# Allegro board TDI_KU5P_QSFP28_CXP_V001-20240805_1841.brd (continued)
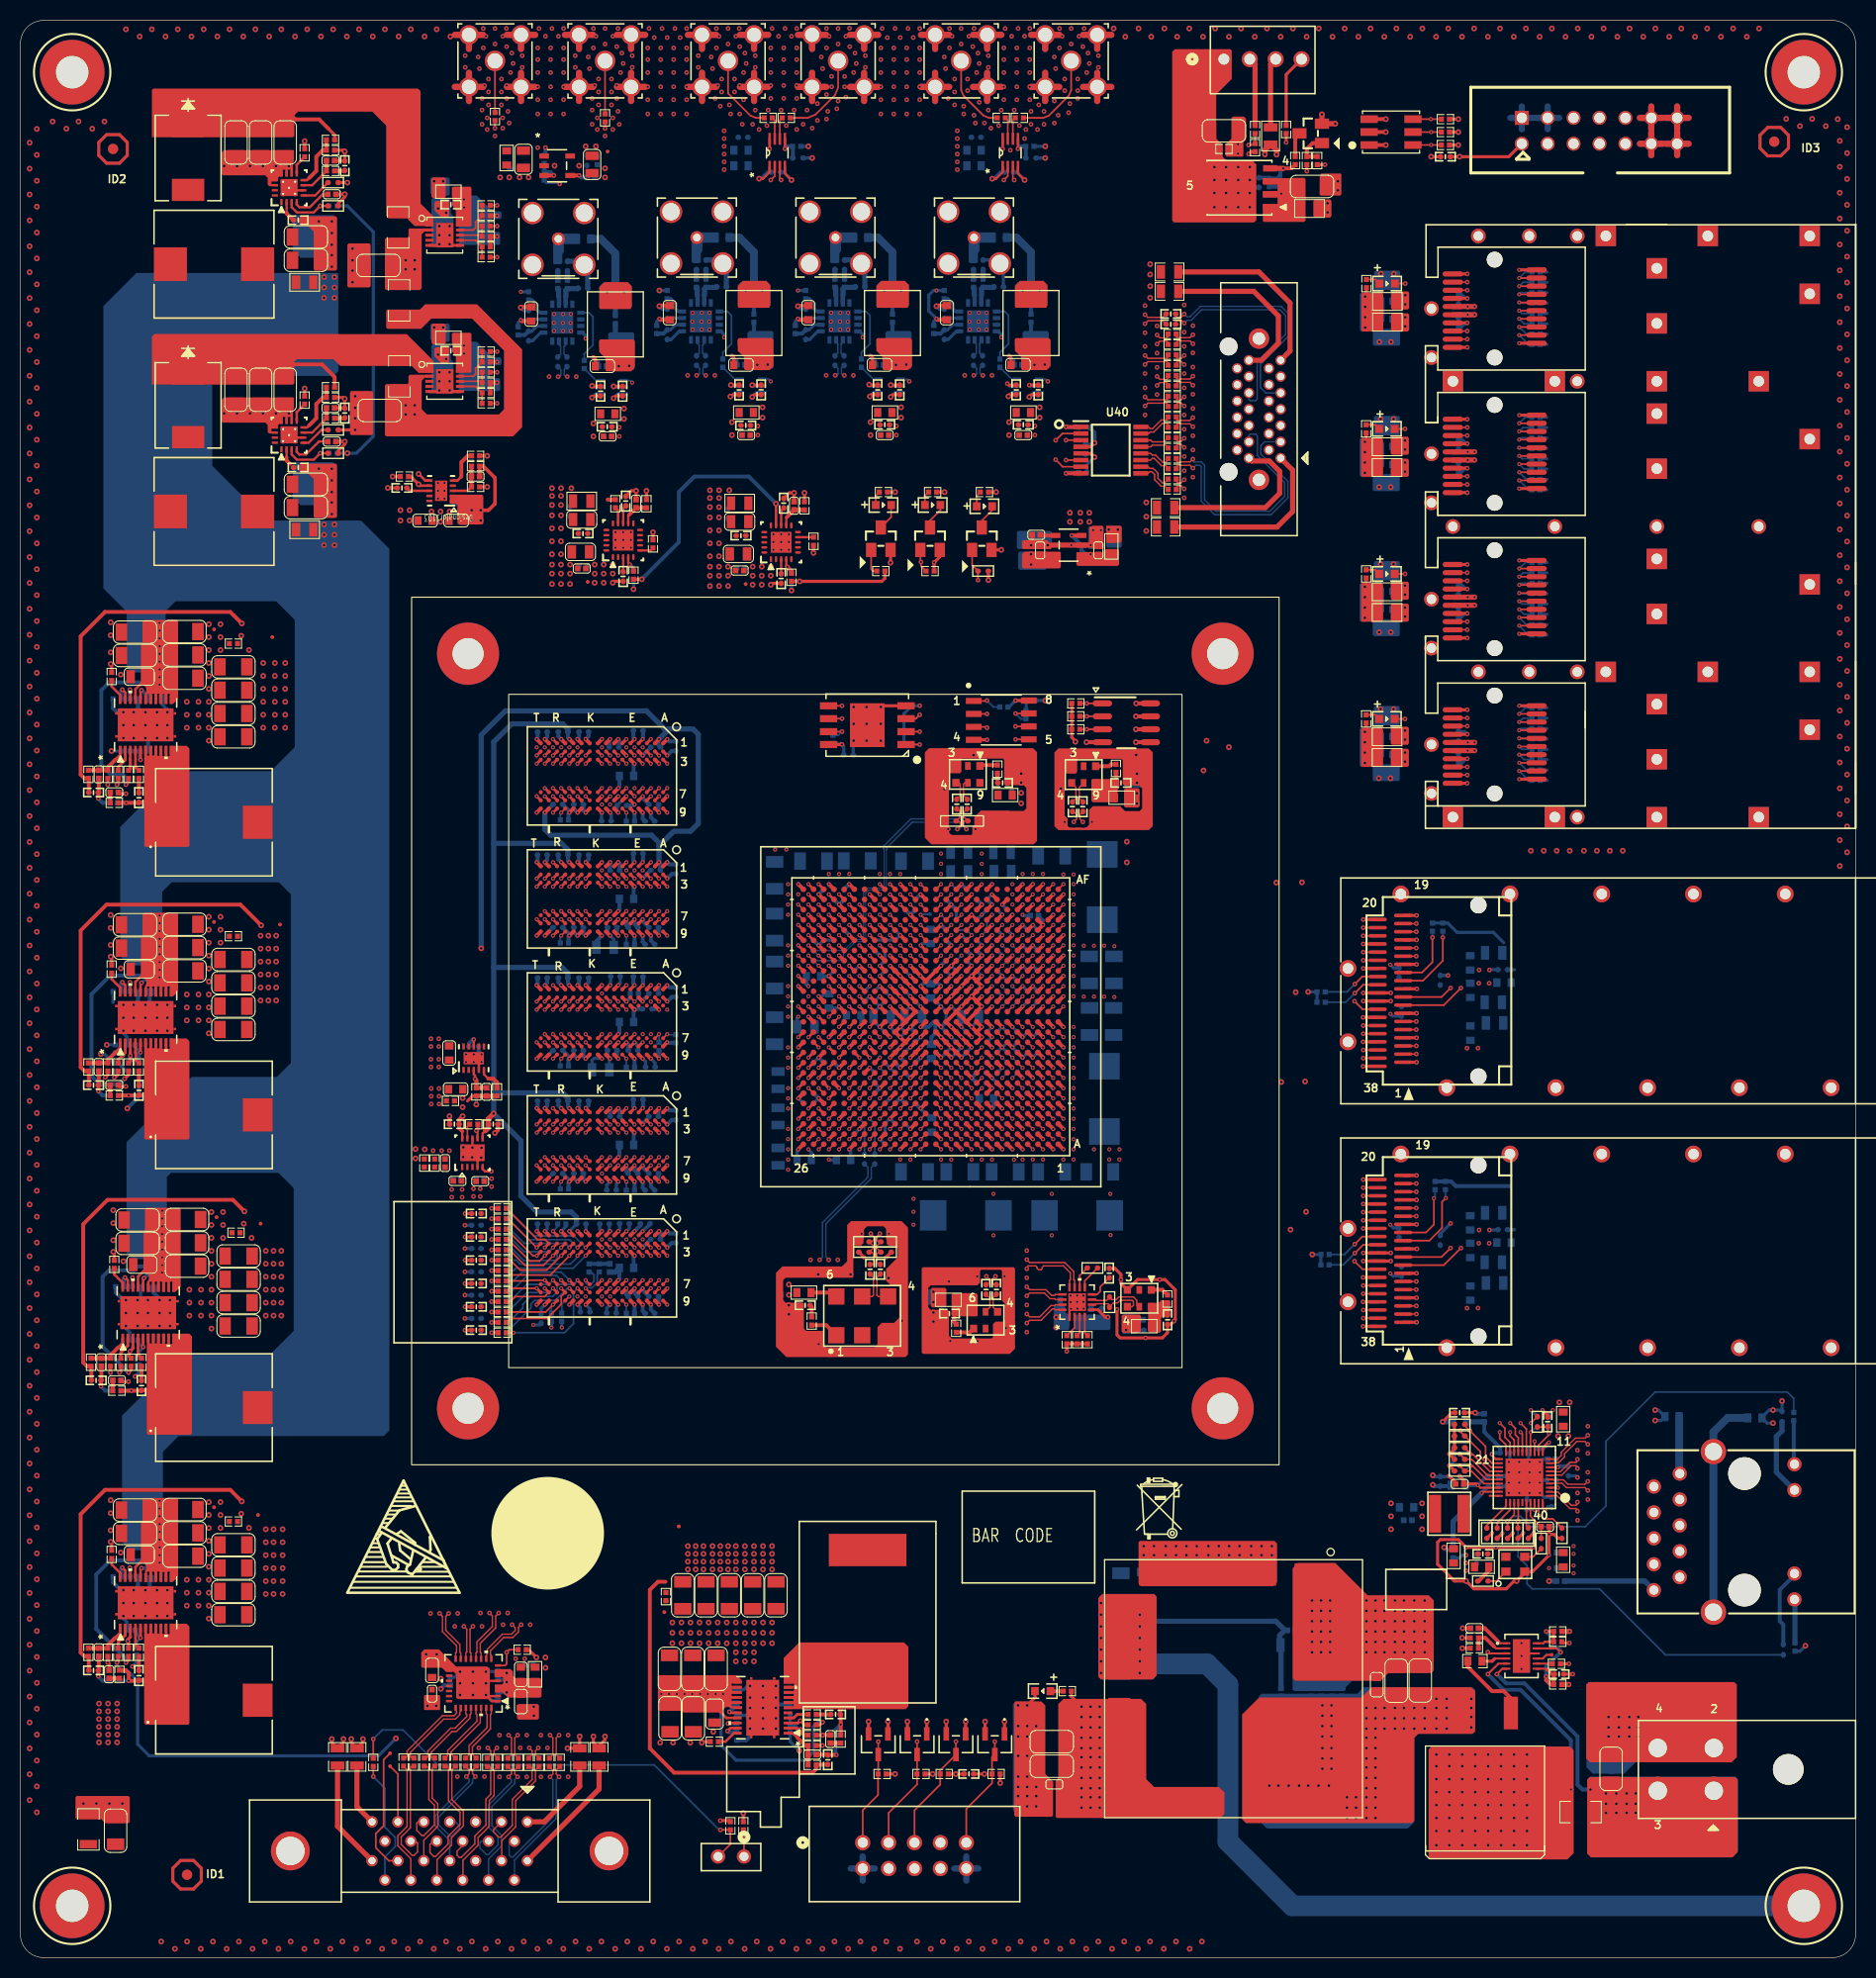
[diagram p0: board, top side]
## Copper pours and planes (outline as drawn; the poured copper is in the pictures) (continued)
GND on ART10: 134.38,40.49 123.89,40.49 123.26,39.85 123.26,37.31 123,37.06 104.21,37.06 104.14,37.12 103.11,37.12 100.93,39.31 100.93,69.6 103.66,72.33 127.1,72.33 129.66,69.77 136.9,69.77 138.39,71.27 138.39,107.62 140.6,109.83 143.55,109.83 146.17,112.45 146.17,163.4 141.57,168 135.5,168 132.35,171.15 132.35,179.91 130.72,181.53 10.18,181.53 9.08,182.63 9.08,188.6 9.97,189.49 170.75,189.49 171.14,189.11 171.14,181.2 171.77,180.57 178.73,180.57 179.49,179.81 179.49,169.46 179.49,52.35 178.83,51.69 171.52,51.69 171.01,52.2 171.01,54.46 170.63,54.84 161.86,54.84 158.59,58.12 135.68,58.12 134.99,57.43 134.99,41.1
GND on ART10: 41.47,59.69 85.31,59.69 90.19,54.81 90.19,24.05 88.84,22.71 82.72,22.71 81.09,24.33 76.32,24.33 71.72,19.74 41.82,19.74 37.48,24.08 37.48,55.7
GND on ART10: 38.42,143.36 93.28,143.36 94.43,142.21 94.43,134.34 85.92,125.83 54.8,125.83 44.14,136.5 40.2,136.5 36.9,139.8 36.9,141.83
GND on ART12: 82.74,70.71 106.24,70.71 129.73,47.22 142.94,47.22 145.23,49.5 150.69,49.5 151.83,48.36 151.83,36.55 151.32,36.04 141.04,36.04 136.59,40.49 123.89,40.49 123.26,39.85 123.26,37.31 123,37.06 104.33,37.06 103.7,36.42 103.7,1.31 102.89,0.51 61.51,0.51 60.01,2.01 60.01,37.06 80.33,57.38 80.33,68.3
GND on ART12: 11.88,116.05 44.9,116.05 47.44,113.51 47.44,66.78 50.99,63.22 58.99,63.22 60.39,61.82 60.39,59.41 39.18,38.2 39.18,31.34 39.44,31.09 45.66,31.09 46.55,30.2 46.55,25.37 43.88,22.71 43.88,18.01 41.6,15.72 41.6,1.12 40.98,0.51 14.37,0.51 13.48,1.4 13.48,12.62 12.92,13.18 2.21,13.18 0.51,14.88 0.51,113.32 1.46,114.27 4.64,114.27 5.78,113.13 5.78,31.22 7.43,29.57 12,29.57 12.89,30.45 12.89,58.55 13.91,59.56 26.23,59.56 27.24,60.58 27.24,102.69 25.01,104.93 9.13,104.93 8.45,105.61 8.45,108.43 11.12,111.1 11.12,115.29
GND on ART12: 139.64,62.33 139.64,93.07 136.72,95.99 117.19,95.99 116.02,97.15 116.02,100.05 125.54,109.58 145.1,109.58 148.66,113.13 148.66,164.95 145.35,168.25 142.94,168.25 142.43,167.74 136.59,167.74 135.32,166.47 135.32,158.09 128.34,151.1 126.05,151.1 125.16,151.99 125.16,161.52 124.02,162.66 114.49,162.66 113.48,161.65 113.48,131.17 112.33,130.02 105.6,130.02 98.87,136.75 98.87,154.91 97.6,156.18 50.99,156.18 49.6,154.79 49.6,148.18 48.58,147.17 4.13,147.17 0.51,150.79 0.51,179.55 1.4,180.44 8.19,180.44 9.08,181.33 9.08,188.6 9.97,189.49 170.75,189.49 171.14,189.11 171.14,181.2 171.77,180.57 178.73,180.57 179.49,179.81 179.49,169.46 179.49,52.43 179.01,51.94 179.01,51.92 171.64,51.92 170.88,52.68 170.88,54.58 170.75,54.71 164.15,54.71 161.1,51.66 154.63,51.66 146.5,59.79 142.18,59.79 ; 1 cut-out
GND_EARTH on TOP (solid shape): 111.45,35.41 111.45,27.66 111.06,27.28 105.98,27.28 105.73,27.53 105.73,35.28 106.11,35.66 111.19,35.66
GND_EARTH on BOTTOM (solid shape): 111.45,35.41 111.45,27.66 111.06,27.28 105.98,27.28 105.73,27.53 105.73,35.28 106.11,35.66 111.19,35.66
VCC1V5_MGT on TOP: 54.44,142.07 54.56,142.2 54.56,144.44 54.5,144.5 51.9,144.5 51.77,144.37 51.77,142.2 51.9,142.07
VCC1V5_MGT on TOP: 69.93,141.87 70.06,142 70.06,144.23 69.99,144.3 67.39,144.3 67.26,144.17 67.26,142 67.39,141.87
VCC1V5_MGT on TOP: 26.74,109.19 21.15,109.19 20.89,109.45 20.89,116.28 21.8,117.18 21.8,127.36 21.02,128.13 21.02,130.66 21.53,131.17 26.74,131.17 27.24,130.66 27.24,109.7
VCC1V5_MGT on BOTTOM: 54.55,144.42 54.55,142.21 54.42,142.09 51.88,142.09 51.76,142.21 51.76,144.35 51.91,144.5 54.47,144.5
VCC1V5_MGT on BOTTOM: 70.04,144.22 70.04,142.01 69.92,141.88 67.38,141.88 67.25,142.01 67.25,144.14 67.4,144.3 69.97,144.3
VCC1V5_MGT on ART12: 22.24,145.52 71.62,145.52 72.18,144.96 72.18,128.35 69.28,125.45 51.88,125.45 44.16,117.73 22.9,117.73 20.82,119.81 20.82,144.09
VCC1V8 on TOP: 26.74,23.09 21.15,23.09 20.89,23.34 20.89,30.18 21.8,31.08 21.8,41.25 21.02,42.02 21.02,44.55 21.53,45.06 26.74,45.06 27.24,44.55 27.24,23.6
VCC1V8 on TOP: 40.33,143.48 40.45,143.36 40.45,142.6 40.33,142.47 39.69,142.47 39.44,142.21 39.44,140.69 39.31,140.56 37.15,140.56 37.02,140.69 37.02,143.23 37.28,143.48
VCC1V8 on BOTTOM: 37.02,140.56 39.18,140.56 39.31,140.69 39.31,142.21 39.18,142.34 37.02,142.34 36.9,142.21 36.9,140.69
VCC1V8 on BOTTOM: 92.47,105.99 92.47,108.92 92.6,109.04 95.77,109.04 95.9,108.92 95.9,107.65 95.77,107.52 94.76,107.52 94.63,107.39 94.63,106.12 94.38,105.87 92.6,105.87
VCC1V8 on BOTTOM: 74.59,78.18 73.6,78.18 73.37,77.95 73.35,77.95 73.35,77.19 73.6,76.94 75.53,76.94 75.64,77.04 75.64,78.45 75.5,78.59 75,78.59
VCC1V8 on BOTTOM: 50.18,35.92 40.58,35.92 38.32,33.65 21.63,33.65 21.33,33.96 21.33,48.06 21.88,48.62 55.06,48.62 68.39,61.95 68.39,73 73.47,78.08 75.5,78.08 76.14,77.44 76.77,77.44 77.03,77.7 77.03,78.87 76.67,79.22 76.67,82.7 76.95,82.98 78.25,82.98 78.43,83.16 78.43,84.68 80.08,86.33 83.76,86.33 84.17,85.93 88.51,85.93 88.71,86.13 88.71,88.49 88.84,88.62 89.86,88.62 89.98,88.49 89.98,85.19 89.35,84.56 83.25,84.56 83.12,84.43 83.12,84.05 82.87,83.79 82.87,83.16 83,83.03 85.79,83.03 86.05,82.78 86.05,81.76 85.92,81.64 84.52,81.64 83.76,82.4 82.11,82.4 81.92,82.21 81.92,81.95 82.24,81.64 82.49,81.64 82.49,81.13 81.85,80.49 81.09,80.49 80.84,80.24 80.84,78.97 80.46,78.59 80.46,76.68 79.57,75.79 79.54,75.79 73.22,69.47 73.22,58.95
VCC1V8 on POWER07: 3.11,178.46 9.03,178.46 10.28,179.7 10.28,185.93 11.65,187.3 40.6,187.3 41.93,185.98 41.93,180.29 44.19,178.03 105.27,178.03 106.97,179.73 106.97,185.57 108.57,187.17 168.26,187.17 168.65,186.79 168.65,178.08 170.6,176.12 174.06,176.12 176.32,173.86 176.32,56.01 175.53,55.22 160.21,55.22 155.39,50.39 155.39,44.81 155.01,44.42 126.81,44.42 125.54,45.69 125.54,111.23 123.76,113 67.38,113 66.61,113.77 66.61,120.12 65.47,121.26 23.31,121.26 21.53,119.48 21.53,60.93 23.94,58.52 53.41,58.52 53.79,58.14 53.79,33.88 58.36,29.31 96.46,29.31 97.53,28.24 97.53,3.23 96.71,2.41 16.68,2.41 15.81,3.28 15.81,13.44 13.53,15.72 2.83,15.72 2.2,16.36 2.2,177.55
VCC1V8 on POWER08: 72.63,76.28 84.6,76.28 86.07,77.75 86.07,85.45 85.82,85.7 79.7,85.7 79.7,85.65 79.59,85.55 79.59,85.19 79.62,85.17 79.62,83.11 79.52,83.01 76.09,83.01 75.52,82.44 72.62,82.44 72.41,82.22 72.41,76.5
VCC1V8 on ART10: 93.79,98.91 94.94,98.91 95.06,99.03 95.06,99.92 94.94,100.05 95,100.11 95,100.62 95.95,101.57 95.95,103.5 96.13,103.68 96.13,106.43 97.96,108.25 98.57,108.25 102.17,111.86 113.35,111.86 115.13,113.64 115.13,141.07 114.11,142.09 102.94,142.09 102.05,141.2 102.05,133.07 102.06,133.06 102.06,126.15 105.35,122.86 105.35,119.74 104.46,118.85 98.75,118.85 96.22,116.32 96.22,113.47 94.1,111.35 94.1,110.21 93.64,109.75 92.6,109.75 92.14,109.3 92.14,104.5 91.13,103.48 91.13,101.96 91.25,101.96 91.76,101.45 91.76,100.3 92.01,100.05 92.4,100.05 92.52,100.18 92.52,100.69 92.9,101.07 92.9,101.45 93.03,101.57 93.54,101.57 93.67,101.45 93.67,99.03
VCC3V3 on TOP (solid shape): 108.02,140.31 108.02,138.91 107.89,138.79 106.49,138.79 106.49,140.44 107.89,140.44
VCC3V3 on TOP (solid shape): 109.77,114.58 109.77,112.93 109.64,112.8 108.37,112.8 108.24,112.93 108.24,114.58 108.37,114.71 109.64,114.71
VCC3V3 on TOP (solid shape): 109.91,62.94 109.91,61.42 109.78,61.29 108.13,61.29 108,61.42 108,62.94 108.13,63.07 109.78,63.07
VCC3V3 on TOP (solid shape): 133.64,148.92 133.64,145.36 133.52,145.24 131.61,145.24 131.49,145.36 131.49,148.92 131.61,149.05 133.52,149.05
VCC3V3 on TOP (solid shape): 133.64,134.7 133.64,131.14 133.52,131.01 131.61,131.01 131.49,131.14 131.49,134.7 131.61,134.82 133.52,134.82
VCC3V3 on TOP (solid shape): 133.64,120.47 133.64,116.92 133.52,116.79 131.61,116.79 131.49,116.92 131.49,120.47 131.61,120.6 133.52,120.6
VCC3V3 on TOP (solid shape): 133.67,163.17 133.67,159.61 133.54,159.49 131.64,159.49 131.51,159.61 131.51,163.17 131.64,163.3 133.54,163.3
VCC3V3 on TOP (solid shape): 41.72,174.47 41.72,172.69 41.6,172.57 40.45,172.57 40.33,172.69 40.33,174.47 40.45,174.6 41.6,174.6
VCC3V3 on TOP (solid shape): 41.72,160.14 41.72,158.36 41.6,158.23 40.45,158.23 40.33,158.36 40.33,160.14 40.45,160.26 41.6,160.26
VCC3V3 on TOP (solid shape): 90.69,65.68 90.82,65.56 90.82,63.91 90.69,63.78 90.64,63.78 89.48,63.78 89.42,63.78 89.3,63.91 89.3,65.51 89.3,65.56 89.42,65.68 90.64,65.68
VCC3V3 on BOTTOM (solid shape): 42.1,174.47 42.1,172.95 41.98,172.82 40.45,172.82 40.2,173.08 40.2,174.47 40.33,174.6 41.98,174.6
VCC3V3 on BOTTOM (solid shape): 42.1,160.14 42.1,158.61 41.98,158.49 40.45,158.49 40.2,158.74 40.2,160.14 40.33,160.26 41.98,160.26
VCC3V3 on BOTTOM (solid shape): 90.69,65.43 90.69,64.16 90.57,64.03 88.53,64.03 88.41,64.16 88.41,65.43 88.53,65.56 90.57,65.56
VCC3V3 on BOTTOM (solid shape): 108.02,140.31 108.02,138.4 107.89,138.28 106.62,138.28 106.49,138.4 106.49,140.31 106.62,140.44 107.89,140.44
VCC3V3 on BOTTOM (solid shape): 109.59,62.81 109.59,61.29 109.46,61.16 108.19,61.16 108.07,61.29 108.07,62.94 108.19,63.07 109.34,63.07
VCC3V3 on BOTTOM (solid shape): 102.48,63.83 102.48,63.32 102.86,62.94 102.86,61.67 102.73,61.54 101.46,61.54 101.34,61.67 101.34,63.83 101.46,63.96 102.35,63.96
VCC3V3 on BOTTOM (solid shape): 132.25,148.67 133.64,148.67 133.77,148.54 133.77,146.25 133.64,146.13 132.76,146.13 131.87,145.24 131.49,145.24 131.36,145.36 131.36,148.92 131.49,149.05 131.87,149.05
VCC3V3 on BOTTOM (solid shape): 132.25,134.44 133.64,134.44 133.77,134.32 133.77,132.03 133.64,131.9 132.76,131.9 131.87,131.01 131.49,131.01 131.36,131.14 131.36,134.7 131.49,134.82 131.87,134.82
VCC3V3 on BOTTOM (solid shape): 132.25,120.22 133.64,120.22 133.77,120.09 133.77,117.81 133.64,117.68 132.76,117.68 131.87,116.79 131.49,116.79 131.36,116.92 131.36,120.47 131.49,120.6 131.87,120.6
VCC3V3 on BOTTOM (solid shape): 132.27,162.92 133.67,162.92 133.8,162.79 133.8,160.5 133.67,160.38 132.78,160.38 131.89,159.49 131.51,159.49 131.38,159.61 131.38,163.17 131.51,163.3 131.89,163.3
VCC3V3 on TOP: 141.67,38.96 142.81,38.96 142.94,38.84 142.94,37.82 142.81,37.69 140.66,37.69 140.02,38.33 140.02,38.96 140.15,39.09 141.54,39.09
VCC3V3 on TOP: 75.25,64.49 76.52,64.49 76.65,64.62 76.65,66.27 76.52,66.4 75.25,66.4 75.12,66.27 75.12,64.62
VCC3V3 on TOP: 150.82,38.71 152.59,38.71 152.72,38.58 152.72,37.57 152.59,37.44 150.82,37.44 150.69,37.57 150.69,38.58
VCC3V3 on TOP: 26.99,51.54 21.4,51.54 21.15,51.79 21.15,58.62 22.05,59.52 22.05,69.7 21.28,70.47 21.28,73 21.78,73.51 26.99,73.51 27.5,73 27.5,52.04
VCC3V3 on TOP: 50.1,28.17 51.76,28.17 51.88,28.3 51.88,29.57 51.76,29.69 50.1,29.69 49.98,29.57 49.98,28.3
VCC3V3 on TOP: 98.29,114.73 97.02,114.73 96.89,114.6 96.89,112.95 97.02,112.83 98.29,112.83 98.41,112.95 98.41,114.6
VCC3V3 on TOP: 43.55,89.08 43.6,89.13 43.6,89.76 43.63,89.79 43.8,89.79 43.83,89.76 43.83,89.13 43.88,89.08 44.03,89.08 44.08,89.13 44.08,90.32 44.14,90.37 44.8,90.37 44.85,90.32 44.85,89.13 44.9,89.08 45.74,89.08 45.79,89.13 45.79,91.34 45.68,91.44 40.07,91.44 39.97,91.34 39.97,89.2 40.1,89.08
VCC3V3 on BOTTOM: 144.81,65.25 144.81,68.9 145.57,69.65 145.57,70.47 145.89,70.8 146.29,70.8 146.37,70.88 146.37,71.83 146.33,71.87 144.9,71.87 144.63,72.15 144.63,75.7 145.1,76.17 147.77,76.17 148.02,76.43 148.02,79.48 146.5,81 144.72,81 144.31,81.41 144.31,83.57 145.18,84.43 145.18,89.87 144.81,90.23 144.81,94.4 145.57,95.15 145.57,95.98 145.89,96.3 146.29,96.3 146.43,96.44 146.43,97.27 146.33,97.38 144.9,97.38 144.63,97.65 144.63,100.59 144.72,100.69 146.37,100.69 147.89,102.21 147.89,109.07 148.02,109.19 153.99,109.19 154.5,109.7 154.5,113.89 153.99,114.4 149.67,114.4 149.55,114.53 149.55,139.3 151.92,140.36 149.55,141.42 149.55,152.5 149.7,152.65 153.71,152.65 154.29,153.24 154.29,155.83 153.51,156.62 149.9,156.62 149.55,156.97 149.55,165.66 149.93,166.04 158.03,166.04 158.23,165.84 158.23,130.35 160.21,128.37 160.21,125.96 158.75,124.5 158.75,86.51 158.13,85.32 158.75,84.12 158.75,65.85 157.8,64.9 145.17,64.9 ; 4 cut-outs
VCC3V3 on BOTTOM: 50.1,29.82 51.76,29.82 51.88,29.69 51.88,28.17 51.76,28.04 50.1,28.04 49.98,28.17 49.98,29.69
VCC3V3 on BOTTOM: 94.68,112.37 89.73,117.32 89.73,122.15 88.14,123.74 80.01,123.74 76.65,127.1 76.65,144.12 77.41,144.88 95.82,144.88 96.84,143.87 96.84,133.96 99.76,131.04 110.18,131.04 112.08,129.13 112.08,122.91 111.7,122.53 109.41,122.53 107.13,120.24 107.13,115.29 107.89,114.53 111.19,114.53 111.57,114.15 111.57,112.62 111.32,112.37 ; 2 cut-outs
VCC3V3 on BOTTOM: 74.36,66.27 76.39,66.27 76.52,66.14 76.52,64.87 76.39,64.74 74.36,64.74 74.23,64.87 74.23,66.14
VCC3V3 on BOTTOM: 151.2,38.71 151.2,37.57 151.32,37.44 152.59,37.44 152.72,37.57 152.72,38.71 152.59,38.84 151.32,38.84
VCC3V3 on BOTTOM: 141.67,38.96 143.2,38.96 143.32,38.84 143.32,37.69 143.2,37.57 141.67,37.57 141.54,37.69 141.54,38.84
VCC3V3 on BOTTOM: 91.63,177.9 93.16,177.9 93.28,177.77 93.28,176.76 93.16,176.63 91.63,176.63 91.51,176.76 91.51,177.77
VCC3V3 on BOTTOM: 40.1,90.53 42.48,90.53 42.61,90.4 42.61,89.26 42.36,89 40.07,89 39.94,89.13 39.94,90.37
VCC3V3 on BOTTOM: 68.77,177.9 70.3,177.9 70.42,177.77 70.42,176.76 70.3,176.63 68.77,176.63 68.65,176.76 68.65,177.77
VCC3V3 on POWER08: 2.81,178.87 9.03,178.87 10.81,180.64 10.81,187.02 11.55,187.76 41.37,187.76 41.93,187.2 41.93,180.29 44.19,178.03 102.63,178.03 103.01,177.65 103.01,173.84 102.63,173.46 60.52,173.46 59.88,172.82 49.22,172.82 48.45,172.06 48.45,154.79 54.9,148.34 87.82,148.34 87.87,148.39 96.61,148.39 97.6,147.4 97.6,143.61 95.39,141.4 70.73,141.4 70.42,141.71 70.42,144.12 70.17,144.37 66.87,144.37 66.49,143.99 66.49,141.66 66.23,141.4 57.98,141.4 54.75,144.63 51.5,144.63 50.87,143.99 50.87,122.91 48.45,120.5 48.45,61.19 49.85,59.79 70.81,59.79 72.56,61.54 72.56,74.4 73.57,75.41 84.39,75.41 86.63,77.65 86.63,86.44 86.78,86.59 94.81,86.59 95.06,86.33 95.06,77.06 96.46,75.67 110.18,75.67 113.73,79.22 113.73,134.09 109.67,138.15 107.64,138.15 104.84,140.94 104.84,169.65 107.76,172.57 107.76,187.2 108.35,187.78 169.74,187.78 170.12,187.4 170.12,180.57 171.26,179.43 177.46,179.43 177.46,179.25 177.99,178.71 177.99,62.81 176.29,61.11 176.29,56.79 174.72,55.22 156.66,55.22 155.01,53.57 155.01,38.33 153.74,37.06 141.67,37.06 140.78,37.95 140.78,39.34 137.92,42.2 137.92,42.21 137.82,42.35 137.68,42.45 137.67,42.46 137.5,42.63 137.47,42.74 137.55,42.8 137.82,43.62 137,43.35 136.93,43.27 136.83,43.3 136.21,43.92 107.76,43.92 102.68,38.84 102.68,2.64 102.19,2.15 16.46,2.15 15.81,2.79 15.81,14.2 12.64,17.37 3.57,17.37 3.57,17.4 2.15,18.82 2.15,178.21
VCC3V3 on ART12: 88.66,110.24 90.95,112.52 98.01,112.52 98.82,113.33 98.82,120.98 98.8,121.01 98.8,123.6 98.26,124.13 83.56,124.13 83.43,124 83.43,108.61 83.61,108.43 83.61,98.78 83.84,98.55 88.48,98.55 88.66,98.73
VCC5V on TOP: 53.53,176.38 57.72,176.38 57.85,176.5 57.85,177.9 57.72,178.03 53.53,178.03 53.41,177.9 53.41,176.5
VCC5V on BOTTOM: 91.63,176.38 93.16,176.38 93.28,176.25 93.28,175.23 93.16,175.11 91.63,175.11 91.51,175.23 91.51,176.25
VCC5V on BOTTOM: 68.77,176.38 70.3,176.38 70.42,176.25 70.42,175.23 70.3,175.11 68.77,175.11 68.65,175.23 68.65,176.25
VCC5V on BOTTOM: 55.18,176.38 57.22,176.38 57.34,176.5 57.34,177.9 57.22,178.03 55.18,178.03 55.06,177.9 55.06,176.5
VCC5V on ART12: 54.17,179.43 95.95,179.43 96.71,178.66 96.71,174.35 95.57,173.2 53.53,173.2 52.77,173.96 52.77,178.03
VCC12V on TOP (solid shape): 128.59,172.31 128.59,170.79 128.46,170.66 126.94,170.66 126.81,170.79 126.81,172.31 126.94,172.44 128.46,172.44
VCC12V on TOP (solid shape): 110.43,24.87 110.43,17.5 111.19,16.74 117.54,16.74 118.05,16.23 118.05,14.07 117.67,13.69 101.67,13.69 101.54,13.82 101.54,17.37 101.79,17.63 101.79,24.87 102.3,25.37 109.92,25.37
VCC12V on TOP (solid shape): 15.72,73.4 15.72,65.8 15.23,65.31 14.91,65.31 14.91,66.25 14.86,66.3 14.73,66.3 14.68,66.25 14.68,65.31 14.4,65.31 14.4,66.22 14.35,66.27 14.24,66.27 14.19,66.22 14.19,65.31 13.9,65.31 13.9,66.26 13.85,66.31 13.73,66.31 13.68,66.26 13.68,65.3 13.4,65.3 13.4,66.25 13.35,66.3 13.23,66.3 13.17,66.25 13.17,65.31 12.9,65.31 12.9,66.24 12.85,66.29 12.72,66.29 12.67,66.24 12.67,65.32 12.64,65.28 12.45,65.28 12.41,65.33 12.41,65.5 12.41,65.51 12.41,66.3 12.47,66.35 12.57,66.88 12.12,67.17 12.08,67.19 12.07,67.22 12.07,71.03 12.23,71.18 12.23,73.38 12.38,73.53 15.59,73.53
VCC12V on TOP (solid shape): 15.47,131.06 15.47,123.46 14.98,122.97 14.66,122.97 14.66,123.91 14.61,123.96 14.48,123.96 14.42,123.91 14.42,122.97 14.15,122.97 14.15,123.87 14.1,123.92 13.98,123.92 13.93,123.87 13.93,122.96 13.64,122.96 13.64,123.92 13.59,123.97 13.47,123.97 13.42,123.92 13.42,122.96 13.15,122.96 13.15,123.91 13.1,123.96 12.97,123.96 12.92,123.91 12.92,122.97 12.65,122.97 12.65,123.9 12.6,123.95 12.47,123.95 12.42,123.9 12.42,122.97 12.38,122.94 12.2,122.94 12.16,122.98 12.16,123.16 12.16,123.17 12.2,123.27 12.22,123.38 12.22,124.01 12.31,124.54 11.87,124.83 11.83,124.85 11.82,124.88 11.82,128.68 11.97,128.84 11.97,131.04 12.13,131.19 15.33,131.19
VCC12V on TOP (solid shape): 15.47,102.35 15.47,94.76 14.98,94.26 14.66,94.26 14.66,95.21 14.61,95.26 14.48,95.26 14.42,95.21 14.42,94.27 14.15,94.27 14.15,95.17 14.1,95.22 13.98,95.22 13.93,95.17 13.93,94.26 13.64,94.26 13.64,95.21 13.59,95.26 13.47,95.26 13.42,95.21 13.42,94.26 13.15,94.26 13.15,95.21 13.1,95.26 12.97,95.26 12.92,95.21 12.92,94.26 12.65,94.26 12.65,95.2 12.6,95.25 12.47,95.25 12.42,95.2 12.42,94.27 12.38,94.24 12.2,94.24 12.16,94.28 12.16,94.46 12.16,94.47 12.2,94.57 12.22,94.68 12.22,95.31 12.31,95.84 11.87,96.13 11.83,96.14 11.82,96.18 11.82,99.98 11.97,100.14 11.97,102.34 12.13,102.49 15.33,102.49
VCC12V on TOP (solid shape): 15.47,44.95 15.47,37.35 14.98,36.86 14.66,36.86 14.66,37.81 14.61,37.86 14.48,37.86 14.42,37.81 14.42,36.86 14.15,36.86 14.15,37.77 14.1,37.82 13.98,37.82 13.93,37.77 13.93,36.86 13.64,36.86 13.64,37.81 13.59,37.86 13.47,37.86 13.42,37.81 13.42,36.85 13.15,36.85 13.15,37.8 13.1,37.85 12.97,37.85 12.92,37.8 12.92,36.86 12.65,36.86 12.65,37.8 12.6,37.85 12.47,37.85 12.42,37.8 12.42,36.87 12.38,36.83 12.2,36.83 12.16,36.88 12.16,37.06 12.16,37.07 12.2,37.17 12.22,37.28 12.22,37.91 12.31,38.43 11.87,38.73 11.83,38.74 11.82,38.78 11.82,42.58 11.97,42.74 11.97,44.93 12.13,45.09 15.33,45.09
VCC12V on TOP (solid shape): 70.75,27.21 70.75,26.88 69.8,26.88 69.75,26.83 69.75,26.7 69.8,26.65 70.75,26.65 70.75,26.38 69.84,26.38 69.79,26.33 69.79,26.21 69.84,26.16 70.75,26.16 70.75,25.87 69.8,25.87 69.75,25.82 69.75,25.7 69.8,25.65 70.75,25.65 70.75,25.38 69.81,25.38 69.76,25.33 69.76,25.2 69.81,25.15 70.75,25.15 70.75,24.88 69.81,24.88 69.76,24.83 69.76,24.7 69.81,24.64 70.74,24.64 70.78,24.61 70.78,24.43 70.73,24.38 70.55,24.38 70.54,24.39 70.44,24.43 70.33,24.44 69.7,24.44 69.18,24.54 68.88,24.09 68.87,24.06 68.83,24.04 65.03,24.04 64.87,24.2 62.68,24.2 62.52,24.35 62.52,27.56 62.66,27.7 70.26,27.7
VCC12V on BOTTOM (solid shape): 31.18,165.07 31.18,161.9 31.05,161.77 26.99,161.77 26.86,161.9 26.86,165.07 26.99,165.2 31.05,165.2
VCC12V on BOTTOM (solid shape): 106.24,24.87 106.24,14.33 106.11,14.2 102.05,14.2 101.92,14.33 101.92,24.99 102.05,25.12 105.98,25.12
VCC12V on BOTTOM (solid shape): 31.18,165.13 31.18,155.57 30.75,155.14 19.4,155.14 18.81,154.56 18.81,146.33 24.2,140.94 33.42,140.94 36.18,138.18 36.18,51.69 35.65,51.16 15.51,51.16 13.99,49.63 13.99,40.06 13.88,39.95 10.78,39.95 9.97,40.77 9.97,53.16 16.09,59.28 24.63,59.28 26.81,61.47 26.81,75.46 25.31,76.96 14.77,76.96 14.37,76.56 14.37,68.71 14.16,68.5 11.04,68.5 10.4,69.14 10.4,79.96 16.83,86.39 25.16,86.39 26.53,87.76 26.53,104.29 25.36,105.46 14.82,105.46 13.91,104.55 13.91,97.46 13.76,97.31 10.71,97.31 9.79,98.22 9.79,110.9 15.26,116.36 24.55,116.36 26.91,118.72 26.91,131.19 25.09,133.02 15.2,133.02 14.24,132.05 14.24,126.21 14.06,126.03 10.94,126.03 10.43,126.54 10.43,132 8.14,134.29 8.14,162 11.37,165.23 31.08,165.23
VCC12V on TOP: 28.26,138.28 28.39,138.15 31.18,138.15 31.31,138.28 31.31,140.82 31.18,140.94 28.39,140.94 28.26,140.82
VCC12V on TOP: 28.26,162.53 28.39,162.41 31.18,162.41 31.31,162.53 31.31,165.07 31.18,165.2 28.39,165.2 28.26,165.07
VCC12V on TOP: 46.8,176.12 48.2,176.12 48.33,176 48.33,174.35 48.2,174.22 46.8,174.22 46.68,174.35 46.68,176
VCC12V on BOTTOM: 46.93,176 48.2,176 48.33,175.87 48.33,174.35 48.2,174.22 46.93,174.22 46.8,174.35 46.8,175.87
VCC12V on ART03: 2.99,17.25 11.88,17.25 15.53,13.59 15.53,2.26 15.92,1.88 104.46,1.88 107.13,4.55 107.13,24.43 106.15,25.41 103.28,25.41 102.56,26.14 102.56,29.57 94.68,37.44 56.58,37.44 53.28,34.14 53.28,28.42 49.22,24.36 38.42,24.36 37.02,22.96 37.02,22.33 35.12,20.42 30.29,20.42 29.53,21.18 29.53,24.1 33.09,27.66 33.09,140.56 32.71,140.94 29.15,140.94 28.01,142.09 28.01,156.95 31.31,160.25 31.31,165.07 31.05,165.33 2.99,165.33 2.35,164.69 2.23,164.69 2.23,18.01
VCC12V on ART05: 104.46,1.88 107.13,4.55 107.13,24.49 106.24,25.37 103.06,25.37 102.56,25.88 102.56,46.58 90.49,58.65 44.77,58.65 39.69,63.73 39.69,164.19 39.56,164.19 38.55,165.2 2.86,165.2 2.23,164.57 2.23,17.88 2.86,17.25 11.37,17.25 14.67,13.94 14.67,2.95 15.74,1.88
VCC12V on ART10: 43.14,180.92 45.63,178.44 47.26,178.44 48.28,179.45 55.69,179.45 56.91,178.23 57.8,178.23 59.22,179.65 94.22,179.65 95.65,178.23 102.38,178.23 102.5,178.36 102.5,178.87 104.56,180.92 129.12,180.92 131,179.04 131,169.57 129.61,168.17 109.57,168.17 104.94,172.8 36.95,172.8 32.88,168.73 32.88,166.62 31.51,165.25 31.51,142.21 36.13,137.59 36.13,18.64 36.26,18.64 39.79,15.11 94.02,15.11 99.95,21.04 99.95,24.17 100.8,25.02 105.93,25.02 106.47,24.49 106.47,3.73 105.68,2.95 15.86,2.95 14.9,3.91 14.9,14.2 12.88,16.22 4.57,16.22 2.53,18.26 2.53,172.49 10.96,180.92
VCC12V_IN on TOP (solid shape): 142.69,26.14 142.69,22.2 142.43,21.95 137.1,21.95 136.72,21.56 136.72,13.44 136.46,13.18 120.21,13.18 119.83,13.56 119.83,23.85 121.48,25.5 131.51,25.5 132.53,26.52 142.31,26.52
VCC12V_IN on BOTTOM (solid shape): 142.69,26.26 142.69,22.2 142.43,21.95 137.1,21.95 136.72,21.56 136.72,13.31 136.08,12.67 122.24,12.67 121.48,13.44 121.48,25.63 121.73,25.88 131.13,25.88 131.77,26.52 142.43,26.52
VCC12V_IN on GND02, ART03, GND04, GND06: 131.77,26.52 142.43,26.52 142.69,26.26 142.69,22.2 142.43,21.95 137.1,21.95 136.72,21.56 136.72,13.31 136.08,12.67 122.24,12.67 121.48,13.44 121.48,25.63 121.73,25.88 131.13,25.88
VCC12V_IN on ART05: 122.24,12.67 121.48,13.44 121.48,25.63 121.73,25.88 131.13,25.88 131.77,26.52 136.72,26.52 140.91,30.71 145.99,30.71 146.12,30.58 146.12,28.17 146.62,27.66 147.77,27.66 148.02,27.91 148.02,29.06 148.4,29.44 151.96,29.44 152.34,29.06 152.34,28.68 151.32,27.66 151.32,22.2 151.07,21.95 137.1,21.95 136.72,21.56 136.72,13.31 136.08,12.67
VCC12V_IN on ART12: 142.69,25.48 142.69,22.2 142.43,21.95 137.1,21.95 136.72,21.56 136.72,13.31 136.08,12.67 122.24,12.67 121.48,13.44 121.48,25.22 121.96,25.7 142.46,25.7
VCC12V_IN_CON on TOP (solid shape): 168.44,17.45 168.44,10.34 167.93,9.83 155.23,9.83 155.23,9.83 154.05,9.83 153.67,10.21 153.67,17.45 153.92,17.71 168.18,17.71
VCC12V_IN_CON on BOTTOM (solid shape): 168.47,17.5 168.47,10.39 167.96,9.88 155.26,9.88 155.26,9.88 154.08,9.88 153.7,10.26 153.7,17.5 153.95,17.75 168.21,17.75
VCC12V_IN_CON on ART03: 151.7,32.23 153.61,32.23 154.5,31.34 154.5,18.26 154.88,17.88 167.07,17.88 167.58,17.37 167.58,12.17 166.82,11.4 151.2,11.4 150.69,11.91 150.69,26.9 150.94,27.15 152.72,27.15 152.97,27.41 152.97,30.96 152.47,31.47 151.7,31.47 151.58,31.6 151.58,32.11
VDD10 on TOP: 152.09,53.19 150.69,53.19 150.56,53.31 150.56,54.58 150.69,54.71 152.09,54.71 152.21,54.58 152.21,53.31
VDD10 on TOP: 137.23,45.69 139.26,45.69 139.39,45.57 139.39,41.63 139.26,41.5 137.23,41.5 137.1,41.63 137.1,45.57
VDD10 on BOTTOM: 136.34,44.93 137.73,44.93 137.86,44.81 137.86,41.76 137.73,41.63 136.34,41.63 136.21,41.76 136.21,44.81
VDD10 on ART10: 153.23,52.86 152.87,52.5 148.48,52.5 142.56,46.58 142.56,40.69 141.93,40.06 136.74,40.06 136.21,40.59 136.21,56.79 136.29,56.87 152.72,56.87 153.23,56.36
(no net) on TOP: 89.42,63.78 90.69,63.78 90.82,63.91 90.82,65.56 90.69,65.68 89.42,65.68 89.3,65.56 89.3,63.91
(no net) on TOP: 131.64,163.3 133.54,163.3 133.67,163.17 133.67,159.61 133.54,159.49 131.64,159.49 131.51,159.61 131.51,163.17
(no net) on TOP: 134.53,134.95 136.06,134.95 136.18,134.82 136.18,133.3 136.06,133.17 134.53,133.17 134.41,133.3 134.41,134.82
(no net) on TOP: 103.62,137.85 106.19,137.85 106.49,138.15 107.64,138.15 107.76,138.02 107.76,136.63 107.64,136.5 103.7,136.5 103.57,136.63 103.57,137.79
(no net) on TOP: 131.61,149.05 133.52,149.05 133.64,148.92 133.64,145.36 133.52,145.24 131.61,145.24 131.49,145.36 131.49,148.92
(no net) on TOP: 98.49,137.9 101.92,137.9 102.05,137.77 102.05,136.37 101.92,136.25 98.36,136.25 98.24,136.37 98.24,137.64
(no net) on TOP: 134.56,163.42 136.08,163.42 136.21,163.3 136.21,161.77 136.08,161.65 134.56,161.65 134.43,161.77 134.43,163.3
(no net) on TOP: 134.56,161.26 136.08,161.26 136.21,161.14 136.21,159.61 136.08,159.49 134.56,159.49 134.43,159.61 134.43,161.14
(no net) on TOP: 109.64,114.71 108.37,114.71 108.24,114.58 108.24,112.93 108.37,112.8 109.64,112.8 109.77,112.93 109.77,114.58
(no net) on TOP: 107.51,113.31 105.2,113.31 105.04,113.46 105.04,115.49 105.15,115.6 107.69,115.6 107.79,115.49 107.79,114.73 107.61,114.55 107.61,113.41
(no net) on TOP: 106.49,138.79 107.89,138.79 108.02,138.91 108.02,140.31 107.89,140.44 106.49,140.44 106.37,140.31 106.37,138.91
(no net) on TOP: 131.61,134.82 133.52,134.82 133.64,134.7 133.64,131.14 133.52,131.01 131.61,131.01 131.49,131.14 131.49,134.7
(no net) on TOP: 131.61,120.6 133.52,120.6 133.64,120.47 133.64,116.92 133.52,116.79 131.61,116.79 131.49,116.92 131.49,120.47
(no net) on TOP: 134.53,118.57 136.06,118.57 136.18,118.44 136.18,116.92 136.06,116.79 134.53,116.79 134.41,116.92 134.41,118.44
(no net) on TOP: 134.53,147.02 136.06,147.02 136.18,146.89 136.18,145.36 136.06,145.24 134.53,145.24 134.41,145.36 134.41,146.89
(no net) on TOP: 89.42,63.53 90.82,63.53 90.95,63.4 90.95,62 90.82,61.87 89.42,61.87 89.3,62 89.3,63.4
(no net) on TOP: 91.43,65.18 93.74,65.18 93.89,65.02 93.89,62.99 93.79,62.89 91.51,62.89 91.33,63.07 91.33,65.07
(no net) on TOP: 134.53,120.73 136.06,120.73 136.18,120.6 136.18,119.08 136.06,118.95 134.53,118.95 134.41,119.08 134.41,120.6
(no net) on TOP: 134.53,149.17 136.06,149.17 136.18,149.05 136.18,147.52 136.06,147.4 134.53,147.4 134.41,147.52 134.41,149.05